# Altium PCB HK0J2071758B03-AM-FPC.PcbDoc (part 1 of 4) (continued)
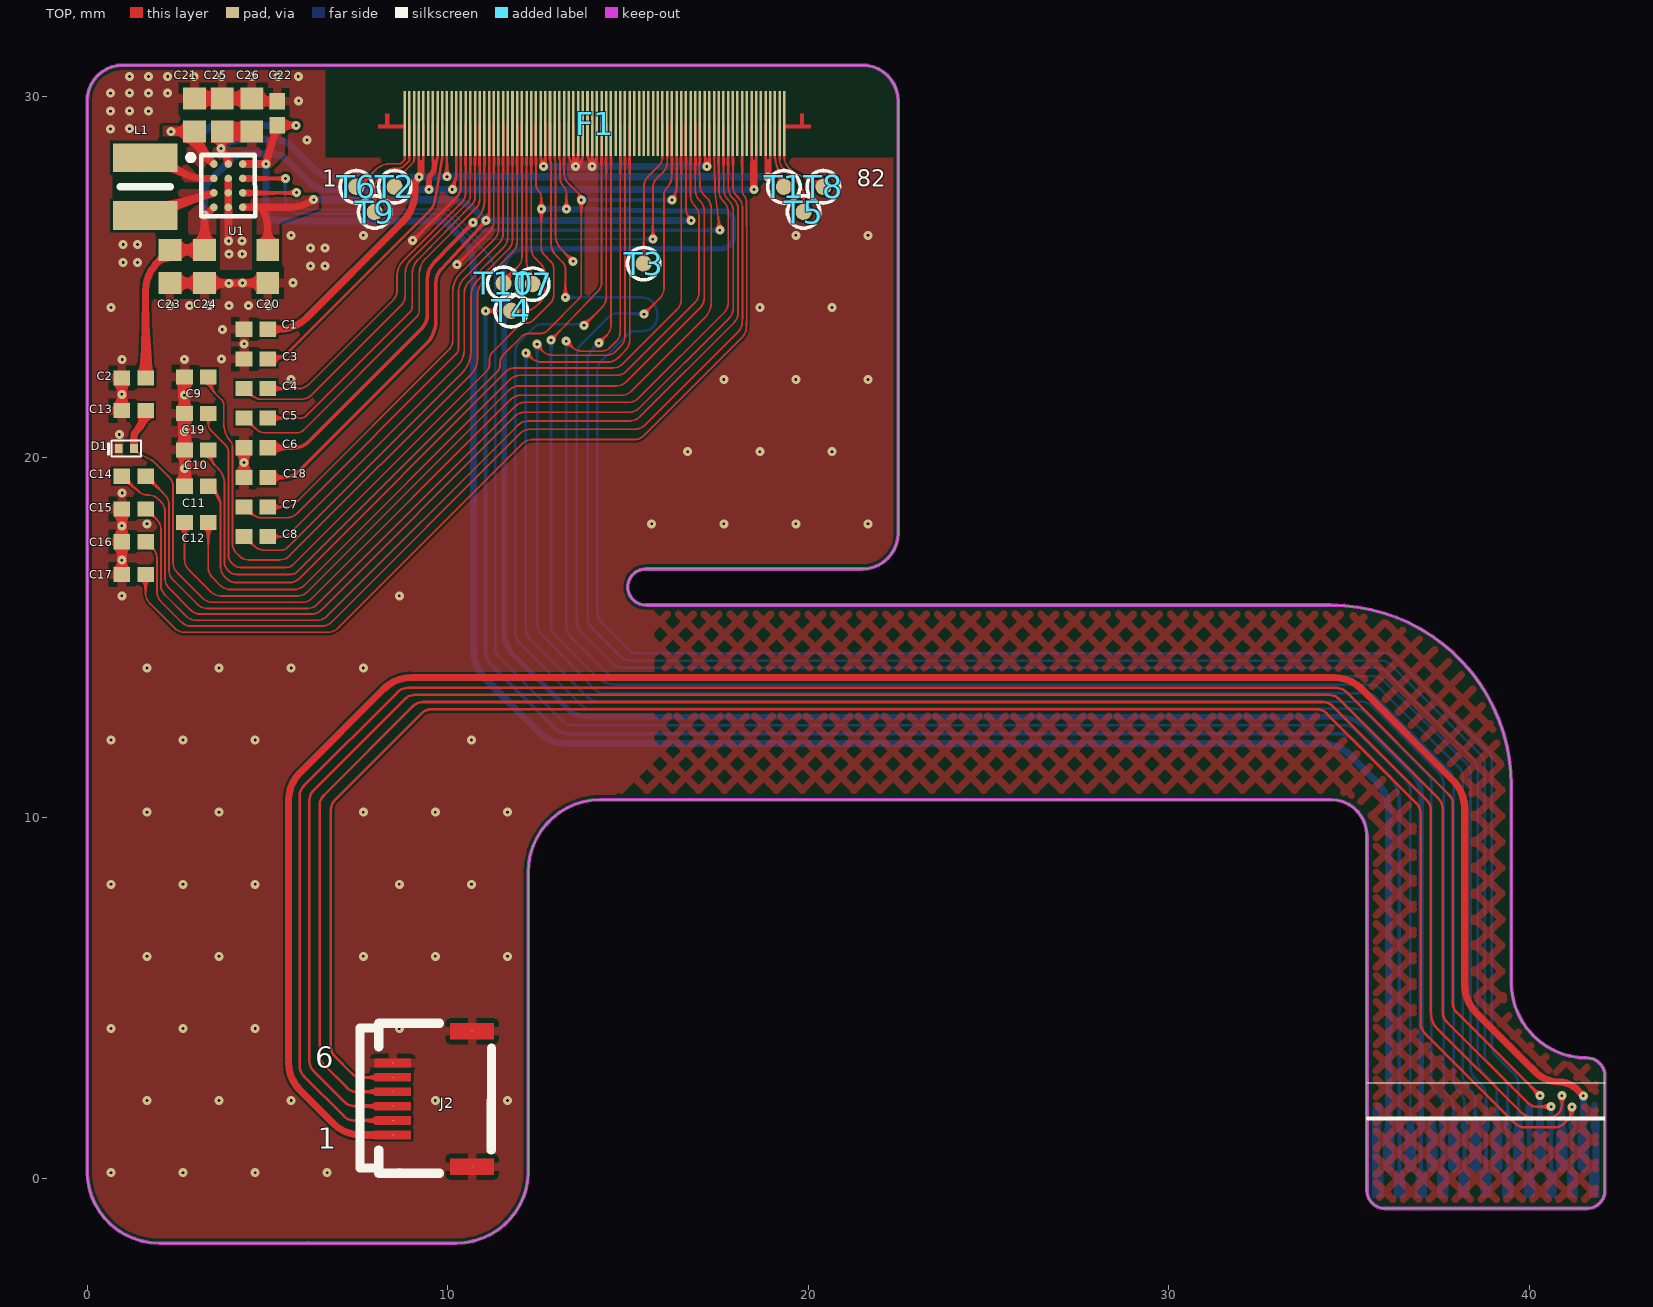
[diagram p0: TOP view]
## Nets (pads, with @x,y where several pads share a name; then routed paths per layer and width w, separated by ;. In a path a pad name is that pad's centre, name@x,y a point inside that pad or via, vN(x,y) a via of type N, cw(c..) or ccw(c..) an arc to the next point about the centre after c; other vN are vias at no path point)
AVDD: C6.1 F1.18 F1.67 | length 21.8
  TOP w0.05: v1@10.71,26.504 10.825,26.62 ccw(c10.351,27.093) 10.867,26.666 ccw(c10.351,27.093) 11.021,27.093 11.021,28.301 ; 17.391,28.301 17.401,28.158 cw(c17.016,28.134) 17.401,28.144 17.421,27.366 ccw(c17.916,27.379) 17.425,27.318 v1(17.552,26.295)
  TOP w0.07: 11.021,28.301 F1.18@11.021,29.251 ; 17.391,28.301 F1.67@17.391,29.251
  TOP w0.1: C6.1@5.012,20.259 5.745,20.259 ccw(c5.745,20.809) 6.133,20.42 9.28,23.567 ccw(c8.89,23.955) 9.44,23.955 9.44,24.94 cw(c10.094,24.942) 9.626,25.399 v1(10.705,26.509)
  BOTTOM w0.1: v1(10.705,26.509) 10.705,26.504 10.913,26.295 11.141,26.295 v1(17.552,26.295)
C11N: C4.2 F1.15 | length 11.3
  TOP w0.05: C4.2@4.352,21.903 4.557,21.718 4.56,21.716 ccw(c4.827,21.993) 4.715,21.625 4.758,21.612 ccw(c4.782,21.693) 4.782,21.608 5.949,21.608 ccw(c5.949,21.993) 6.22,21.72 8.712,24.212 ccw(c8.44,24.484) 8.825,24.484 8.825,25.093 cw(c9.387,25.093) 8.988,25.49 10.549,27.051 ccw(c10.349,27.25) 10.631,27.25 10.631,28.301
  TOP w0.07: 10.631,28.301 F1.15@10.631,29.251
C11P: C4.1 F1.14 | length 10.1
  TOP w0.05: C4.1@5.012,21.903 5.873,21.903 ccw(c5.873,22.288) 6.144,22.015 8.489,24.36 ccw(c8.216,24.631) 8.601,24.631 8.601,25.041 cw(c9.177,25.042) 8.769,25.449 10.389,27.069 ccw(c10.116,27.34) 10.501,27.34 10.501,28.301
  TOP w0.07: 10.501,28.301 F1.14@10.501,29.251
C12N: C5.2 F1.17 | length 12.3
  TOP w0.05: C5.2@4.352,21.081 4.557,20.896 4.694,20.773 ccw(c4.952,21.059) 4.952,20.674 5.815,20.674 ccw(c5.815,20.949) 6.009,20.754 9.136,23.881 ccw(c8.941,24.075) 9.216,24.074 9.216,25.085 cw(c9.818,25.085) 9.216,25.087 cw(c9.818,25.085) 9.392,25.51 10.794,26.913 ccw(c10.555,27.149) 10.891,27.149 10.891,28.301
  TOP w0.07: 10.891,28.301 F1.17@10.891,29.251
C12P: C5.1 F1.16 | length 11.1
  TOP w0.05: C5.1@5.012,21.081 5.922,21.081 ccw(c5.922,21.312) 6.085,21.149 8.939,24.003 ccw(c8.744,24.197) 9.019,24.197 9.019,25.083 cw(c9.582,25.084) 9.179,25.477 10.684,27.017 ccw(c10.486,27.209) 10.761,27.209 10.761,28.301
  TOP w0.07: 10.761,28.301 F1.16@10.761,29.251
C31N: C7.2 F1.22 | length 14.7
  TOP w0.05: C7.2@4.352,18.616 4.557,18.431 4.569,18.42 ccw(c4.827,18.706) 4.715,18.337 4.758,18.324 ccw(c4.782,18.406) 4.782,18.321 5.543,18.321 ccw(c5.543,18.706) 5.815,18.433 10.232,22.851 ccw(c10.055,23.029) 10.306,23.029 10.306,24.598 cw(c10.824,24.598) 10.458,24.964 11.429,25.935 ccw(c11.156,26.207) 11.541,26.207 11.541,28.301
  TOP w0.07: 11.541,28.301 11.541,28.963 F1.22@11.541,29.251
C31P: C7.1 F1.21 | length 13.6
  TOP w0.05: C7.1@5.012,18.616 5.512,18.616 ccw(c5.512,19.001) 5.784,18.728 10.029,22.974 ccw(c9.757,23.246) 10.142,23.246 10.142,24.578 cw(c10.891,24.579) 10.361,25.108 11.299,26.045 ccw(c11.026,26.317) 11.411,26.317 11.411,28.301
  TOP w0.07: 11.411,28.301 11.411,28.386 F1.21@11.411,29.251
C32N: C8.2 F1.24 | length 15.6
  TOP w0.05: C8.2@4.352,17.794 4.557,17.609 4.658,17.518 ccw(c4.916,17.804) 4.916,17.419 5.389,17.419 ccw(c5.389,17.644) 5.548,17.484 10.409,22.345 ccw(c9.834,22.92) 10.647,22.92 10.647,24.469 cw(c11.249,24.469) 10.823,24.895 11.688,25.76 ccw(c11.416,26.032) 11.801,26.032 11.801,28.301
  TOP w0.07: 11.801,28.301 11.801,28.386 F1.24@11.801,29.251
C32P: C8.1 F1.23 | length 14.4
  TOP w0.05: C8.1@5.012,17.794 5.372,17.794 ccw(c5.372,18.179) 5.643,17.905 10.289,22.551 ccw(c9.876,22.964) 10.46,22.964 10.46,24.539 cw(c10.916,24.539) 10.594,24.862 11.559,25.827 ccw(c11.286,26.099) 11.671,26.099 11.671,28.301
  TOP w0.07: 11.671,28.301 11.671,28.386 F1.23@11.671,29.251
C41N: C14.2 F1.69 | length 28.5
  TOP w0.05: C14.2@0.963,19.47 1.168,19.285 1.431,19.048 ccw(c1.689,19.333) 1.689,18.949 1.703,18.949 cw(c1.703,18.564) 1.975,18.837 2.052,18.76 cw(c1.778,18.489) 2.163,18.489 2.163,16.633 ccw(c2.548,16.633) 2.275,16.362 2.88,15.757 ccw(c3.151,16.03) 3.151,15.646 6.22,15.646 ccw(c6.22,16.03) 6.492,15.757 11.867,21.133 cw(c12.139,20.86) 12.139,21.245 15.038,21.245 ccw(c15.038,21.63) 15.309,21.357 17.81,23.858 ccw(c17.538,24.13) 17.922,24.13 17.922,26.839 ccw(c17.538,26.839) 17.816,27.105 17.767,27.156 cw(c18.045,27.422) 17.661,27.418 17.652,28.301
  TOP w0.07: F1.69@17.651,29.251 17.651,28.386 17.651,28.351 ccw(c18.006,28.351) 17.651,28.348 17.652,28.301
C41P: C14.1 F1.68 | length 27.5
  TOP w0.05: C14.1@1.623,19.47 1.828,19.285 2.16,18.953 cw(c1.888,18.681) 2.273,18.681 2.273,16.864 ccw(c2.658,16.864) 2.385,16.593 3.063,15.915 ccw(c3.335,16.188) 3.335,15.803 6.115,15.803 ccw(c6.115,16.188) 6.387,15.915 11.881,21.409 cw(c12.152,21.136) 12.152,21.521 15.023,21.521 ccw(c15.023,21.906) 15.295,21.633 17.673,24.012 ccw(c17.401,24.284) 17.786,24.284 17.786,26.803 ccw(c17.401,26.803) 17.68,27.068 17.637,27.114 cw(c17.916,27.379) 17.531,27.375 17.522,28.301
  TOP w0.07: 17.522,28.301 17.521,28.351 ; 17.521,28.351 F1.68@17.521,29.251
C51N: C12.2 F1.63 | length 24.3
  TOP w0.05: C12.2@2.703,18.182 2.703,17.153 ccw(c3.088,17.153) 2.815,16.881 3.433,16.264 ccw(c3.704,16.537) 3.704,16.152 5.843,16.152 ccw(c5.843,16.537) 6.115,16.264 11.714,21.863 cw(c11.985,21.59) 11.985,21.975 14.68,21.975 ccw(c14.68,22.36) 14.952,22.088 17.006,24.142 ccw(c16.734,24.414) 17.119,24.414 17.119,26.832 ccw(c16.734,26.832) 17.006,27.104 16.983,27.127 cw(c17.256,27.398) 16.871,27.398 16.871,28.301
  TOP w0.07: 16.871,28.301 F1.63@16.871,29.251
C51P: C12.1 F1.62 | length 23.4
  TOP w0.05: C12.1@3.363,18.182 3.363,16.935 ccw(c3.748,16.935) 3.475,16.663 3.699,16.44 ccw(c3.97,16.713) 3.97,16.328 5.749,16.328 ccw(c5.749,16.713) 6.02,16.44 11.74,22.159 cw(c12.011,21.886) 12.011,22.271 14.688,22.271 ccw(c14.688,22.656) 14.961,22.384 16.861,24.284 ccw(c16.588,24.556) 16.973,24.556 16.973,26.695 ccw(c16.588,26.695) 16.861,26.967 16.853,26.975 cw(c17.126,27.246) 16.741,27.246 16.741,28.301
  TOP w0.07: 16.741,28.301 F1.62@16.741,29.251
ELVDD: C2.1 C23.2 C24.2 F1.7 F1.8 F1.12 F1.75 F1.76 U1.D1 | length 30.7
  TOP w0.07: F1.7@9.591,29.251 9.591,28.183 9.639,28.183 9.686,28.183 9.696,28.172 9.719,28.301 9.72,28.307 ccw(c9.651,28.319) 9.721,28.319 F1.8@9.721,29.251 ; v1(10.132,27.424) 10.225,27.731 ccw(c9.856,27.843) 10.241,27.843 10.241,28.301 10.241,28.386 F1.12@10.241,29.251 ; F1.75@18.431,29.251 18.431,28.159 18.496,28.159 18.561,28.159 F1.76@18.561,29.251
  TOP w0.15: v1(9.483,27.424) 9.483,27.684 cw(c9.716,27.684) 9.551,27.849 ccw(c9.445,27.955) 9.564,27.865 ccw(c9.415,28.014) 9.605,27.921 ccw(c9.47,27.987) 9.61,27.932 9.615,27.946 9.626,28.009 9.639,28.183
  TOP w0.2: C2.1@1.623,22.199 1.623,24.613 cw(c2.723,24.613) 1.867,25.304 1.898,25.341 cw(c2.753,24.65) 1.945,25.397 2.082,25.545 2.287,25.75 C24.2@3.258,25.75 v1@3.258,26.67 ; v1(3.258,26.719) v1@3.258,26.67 ; U1.D1@3.517,26.931 3.283,26.695 v1@3.258,26.67 ; v1@18.495,27.425 18.495,28.159
  BOTTOM w0.2: v1(3.258,26.719) 3.258,27.329 ; 3.258,27.33 cw(c3.727,27.33) 3.396,27.661 3.969,28.234 cw(c4.402,27.802) 4.402,28.414 5.108,28.414 cw(c5.108,27.768) 5.564,28.225 ; 5.564,28.225 5.599,28.19 6.156,27.633 ccw(c6.663,28.139) 6.663,27.423 v1@9.483,27.423
  BOTTOM w0.203: v1(9.483,27.424) v1(10.132,27.424) ; v1@10.133,27.423 v1@18.498,27.423
  other v1: 18.498,27.422
ELVSS: C1.1 C25.2 C26.2 F1.4 F1.5 F1.10 F1.78 F1.79 U1.A2 | length 30.6
  TOP w0.07: F1.4@9.201,29.251 9.201,28.139 9.266,28.139 9.331,28.139 F1.5@9.331,29.251 ; v1@9.981,27.796 F1.10@9.981,29.251 ; F1.78@18.821,29.251 18.821,28.171 18.885,28.171 18.951,28.171 F1.79@18.951,29.251
  TOP w0.2: C25.2@3.749,29.03 3.714,28.995 v1(3.714,28.56) cw(c2.845,27.886) U1.A2@3.917,28.132 ; C1.1@5.012,23.547 5.319,23.547 ccw(c5.319,24.647) 6.097,23.869 8.694,26.467 8.746,26.518 ccw(c7.907,27.357) 9.093,27.357 9.093,27.485 cw(c9.498,27.485) v1(9.212,27.772) ccw(c9.085,27.899) 9.264,27.899 9.264,28.137 9.266,28.139 ; v1@18.885,27.783 18.885,28.171
  TOP w0.5: C25.2@3.749,29.03 C26.2@4.571,29.029
  BOTTOM w0.2: v1(3.714,28.56) cw(c4.334,27.94) 3.724,28.57 cw(c4.334,27.94) 3.812,28.645 cw(c4.334,27.94) 4.334,28.817 5.185,28.817 cw(c5.185,28.115) 5.68,28.612 cw(c5.185,28.115) 5.681,28.611 6.3,27.992 ccw(c6.832,28.525) 6.833,27.772 v1(9.212,27.772)
  BOTTOM w0.203: v1(9.212,27.772) cw(c9.311,26.659) 9.311,27.776 v1@9.977,27.776 ; v1@9.985,27.777 v1(18.892,27.777)
  other v1: 9.982,27.781
ERR_Flag: F1.56 T3.1 | length 4.1
  TOP w0.05: T3.1@15.437,25.368 ccw(c15.06,25.449) 15.445,25.449 15.445,27.502 cw(c15.83,27.502) 15.557,27.773 15.849,28.065 ccw(c15.576,28.337) 15.955,28.266 15.961,28.301
  TOP w0.07: 15.961,28.301 F1.56@15.961,29.251
FOF_R: F1.80 T1.1 | length 1.8
  TOP w0.05: 19.081,28.301 19.112,28.156 ccw(c19.596,28.26) 19.128,28.101 T1.1@19.331,27.5
  TOP w0.07: 19.081,28.301 F1.80@19.081,29.251
FOF_R1: F1.82 T8.1 | length 2.4
  TOP w0.05: 19.341,28.301 19.342,28.288 ccw(c19.726,28.314) 19.453,28.043 19.535,27.961 ccw(c19.807,28.234) 19.635,27.889 T8.1@20.423,27.5
  TOP w0.07: 19.341,28.301 F1.82@19.341,29.251
FOF_R2: F1.81 T5.1 | length 2.7
  TOP w0.05: 19.211,28.301 19.211,28.26 ccw(c19.596,28.26) 19.323,27.989 19.762,27.55 cw(c19.489,27.278) 19.874,27.278 T5.1@19.874,26.8
  TOP w0.07: 19.211,28.301 F1.81@19.211,29.251
FOG_L: F1.3 T2.1 | length 2
  TOP w0.05: T2.1@8.532,27.5 cw(c8.912,27.5) 8.609,27.728 cw(c8.912,27.5) 8.643,27.768 9.034,28.159 ccw(c8.944,28.249) 9.071,28.249 9.071,28.301
  TOP w0.07: 9.071,28.301 9.071,28.312 F1.3@9.071,29.251
FOG_L1: F1.1 T6.1 | length 2.6
  TOP w0.05: T6.1@7.466,27.5 7.529,27.5 7.99,27.961 cw(c8.423,27.529) 8.423,28.14 8.676,28.14 ccw(c8.676,28.19) 8.685,28.141 8.694,28.143 ccw(c8.686,28.192) 8.721,28.157 8.811,28.247 8.811,28.301
  TOP w0.07: 8.811,28.301 F1.1@8.811,29.251
FOG_L2: F1.2 T9.1 | length 3
  TOP w0.05: T9.1@7.976,26.8 7.976,27.492 cw(c8.281,27.492) 8.065,27.708 8.243,27.886 cw(c8.553,27.577) 8.553,28.015 8.644,28.015 ccw(c8.644,28.232) 8.798,28.078 8.922,28.202 ccw(c8.876,28.249) 8.941,28.249 8.941,28.301
  TOP w0.07: 8.941,28.301 F1.2@8.941,29.251
GND: C1.2 C2.2 C3.2 C6.2 C9.2 C10.2 C11.2 C13.2 C15.2 C16.2 C17.2 C18.2 C19.2 C20.1 C21.1 C22.2 C23.1 C24.1 C25.1 C26.1 D1.1 F1.13 F1.20 F1.30 F1.31 F1.33 F1.36 F1.37 F1.38 F1.39 F1.40 F1.41 F1.42 F1.65 F1.66 J1.1 J1.7 J1.21 J2.6 J2.7 J2.8 U1.B2 U1.C2 U1.D2 | length 44.7
  TOP w0.05: v1(10.262,25.34) 11.169,26.247 ccw(c10.896,26.519) 11.281,26.519 11.281,28.301 ; 12.971,28.301 12.991,28.131 cw(c12.608,28.088) 12.992,28.118 12.992,26.174 ccw(c13.589,26.174) 13.167,25.752 v1(13.486,25.433)
  TOP w0.07: v1(9.032,26.013) ccw(c8.841,26.347) 9.113,26.075 10.259,27.22 ccw(c9.986,27.493) 10.371,27.493 F1.13@10.371,29.251 ; 11.281,28.301 F1.20@11.281,29.251 ; F1.30@12.581,29.251 12.581,28.301 12.585,28.274 ccw(c12.966,28.329) 12.614,28.174 v1(12.661,28.066) 12.696,28.185 ccw(c12.326,28.293) 12.711,28.293 F1.31@12.711,29.251 ; 12.971,28.301 F1.33@12.971,29.251 ; F1.36@13.361,29.251 13.361,28.386 13.362,28.371 ccw(c13.746,28.4) 13.374,28.301 ccw(c13.746,28.4) 13.433,28.177 v1@13.486,28.101 ; v1@13.491,28.136 F1.37@13.491,29.251 ; v1@13.612,28.062 13.609,28.062 ccw(c13.366,28.361) 13.747,28.301 ccw(c13.366,28.361) 13.751,28.361 F1.39@13.751,29.251 ; v1@13.621,28.139 F1.38@13.621,29.251 ; F1.40@13.881,29.251 13.881,28.386 13.883,28.368 ccw(c14.266,28.406) 13.896,28.301 ccw(c14.266,28.406) 13.956,28.178 cw(c13.644,27.952) v1(14.012,28.066) ; F1.41@14.011,29.251 14.011,28.117 ccw(c14.396,28.117) v1@14.011,28.115 ; F1.42@14.141,29.251 14.141,28.379 cw(c13.756,28.379) 14.133,28.301 cw(c13.756,28.379) 14.072,28.158 v1@14.04,28.113 ; F1.65@17.131,29.251 17.131,28.386 17.145,28.301 v1(17.191,28.064) 17.232,28.16 ccw(c16.876,28.308) 17.261,28.294 17.261,28.301 F1.66@17.261,29.251 ; v1@13.486,28.101 v1(13.555,28.066) ; v1@13.486,28.101 13.467,28.111 13.507,28.071 v1(13.555,28.066) ; v1@13.486,28.101 v1@13.515,28.087 ; v1@13.486,28.101 v1@13.515,28.087 ; v1@13.515,28.087 v1(13.555,28.066) ; v1@13.515,28.087 v1(13.555,28.066) ; v1@14.012,28.094 v1@14.011,28.104 ; v1@14.012,28.093 v1@14.012,28.087 ; v1@14.012,28.094 v1@14.012,28.087 ; v1@14.012,28.094 v1@14.011,28.1 ; v1@14.012,28.093 v1@14.011,28.1 ; v1@14.012,28.093 14.012,28.083 v1@14.012,28.087 ; v1@14.011,28.1 v1@14.011,28.104 ; v1@14.011,28.1 v1@14.011,28.105 ; v1@14.011,28.104 v1@14.011,28.108 ; v1@14.011,28.105 v1@14.011,28.111 ; v1@14.011,28.105 v1@14.011,28.108 ; v1@14.011,28.108 v1@14.011,28.111 ; v1@14.011,28.108 v1@14.011,28.111 ; v1@14.011,28.111 v1@14.011,28.113 ; v1@14.011,28.111 v1@14.011,28.115 ; v1@14.011,28.111 v1@14.011,28.113 ; v1@14.011,28.113 v1@14.011,28.115 ; v1@14.011,28.113 v1@14.011,28.115 ; v1(14.012,28.066) cw(c14.355,27.892) v1@14.04,28.113 ; v1(14.012,28.066) v1@14.04,28.113 ; v1(14.012,28.066) v1@14.012,28.082 ; v1(14.012,28.066) v1@14.012,28.082 ; v1@14.012,28.082 v1@14.012,28.087
  TOP w0.2: C17.2@0.963,16.742 v1(0.963,17.142) 0.963,17.541 0.963,17.625 C16.2@0.963,17.651 v1(0.963,18.093) C15.2@0.963,18.561 ; C13.2@0.963,21.289 v1(0.963,21.744) C2.2@0.963,22.199 ; C23.1@2.297,24.83 C24.1@3.258,24.83 3.266,24.822 v1(3.932,24.822) 3.936,24.826 4.307,24.826 v1(4.311,24.83) C20.1@5.01,24.83 ; C11.2@2.703,19.192 C10.2@2.703,20.202 v1(2.703,20.707) C19.2@2.703,21.212 C9.2@2.703,22.222 ; C21.1@2.964,29.939 4.356,29.939 4.563,29.918 4.786,29.859 C22.2@5.224,29.859 ; U1.B2@3.917,27.731 3.919,27.402 cw(c2.819,27.396) U1.C2@3.917,27.331 ; U1.C2@3.917,27.331 U1.C2@3.917,27.331 ; v1(3.928,25.996) cw(c3.956,26.024) 3.917,26.024 U1.D2@3.917,26.931 U1.C2@3.917,27.331 ; C18.2@4.352,19.438 v1(4.352,19.848) C6.2@4.352,20.259
  BOTTOM w0.2: v1@12.67,28.058 v1@13.546,28.058 ; v1(13.555,28.066) v1(14.012,28.066) ccw(c14.066,29.165) 14.066,28.065 17.14,28.065 cw(c17.137,26.965) v1@17.191,28.064 ; 35.807,1.96 35.847,2 ; 40.007,1.494 40.007,2.004 ; 41.817,1.534 41.817,2.015
  BOTTOM w0.25: 35.786,1.651 35.786,1.874
  other v1: 0.661,0.152 2.661,0.152 4.661,0.152 6.661,0.152 8.661,0.152 1.661,2.152 3.661,2.152 5.661,2.152 9.661,2.152 11.661,2.152 0.661,4.152 2.661,4.152 4.661,4.152 8.661,4.152 1.661,6.152 3.661,6.152 7.661,6.152 9.661,6.152 11.661,6.152 0.661,8.152 2.661,8.152 4.661,8.152 8.661,8.152 10.661,8.152 1.661,10.152 3.661,10.152 7.661,10.152 9.661,10.152 11.661,10.152 0.661,12.152 2.661,12.152 4.661,12.152 10.661,12.152 1.661,14.152 3.661,14.152 5.661,14.152 7.661,14.152 0.966,16.152 8.661,16.152 1.661,18.152 15.661,18.152 17.661,18.152 19.661,18.152 21.661,18.152 0.974,19.006 2.706,19.68 16.661,20.152 18.661,20.152 20.661,20.152 0.895,20.628 2.699,21.717 5.661,22.152 17.661,22.152 19.661,22.152 21.661,22.152 0.972,22.706 2.7,22.713 3.731,22.721 4.356,23.143 3.752,23.541 0.661,24.152 18.661,24.152 20.661,24.152 2.297,24.2 2.843,24.2 3.389,24.2 3.935,24.2 4.48,24.2 5.026,24.2 5.711,24.838 6.2,25.3 6.6,25.3 1,25.4 1.4,25.4 3.936,25.632 4.304,25.635 6.2,25.8 6.6,25.8 1,25.9 1.4,25.9 4.3,26 5.661,26.152 7.661,26.152 19.661,26.152 21.661,26.152 6.1,28.8 0.648,29.1 1.177,29.11 0.648,29.598 1.177,29.608 1.706,29.598 5.868,29.883 0.648,30.095 1.177,30.105 1.706,30.095 2.235,30.095 1.177,30.561 1.706,30.561 2.235,30.561 2.967,30.561 3.735,30.561 4.576,30.561 5.292,30.561 5.861,30.561
NetL1_1: L1.1 U1.B1 | length 2
  TOP w0.2: L1.1@1.615,28.394 2.415,28.003 2.74,27.843 ccw(c3.224,28.831) 3.224,27.731 U1.B1@3.517,27.731
NetL1_2: L1.2 U1.C1 | length 2
  TOP w0.2: L1.2@1.615,26.794 L1.2@2.415,27.003 ; L1.2@2.415,27.003 U1.C1@3.517,27.331
QSPI_CSX: F1.45 J1.9 | length 51.8
  TOP w0.05: v1(14.195,23.16) 14.419,23.384 ccw(c14.146,23.655) 14.531,23.655 14.531,28.301
  TOP w0.07: 14.531,28.301 F1.45@14.531,29.251
  BOTTOM w0.07: v1(14.195,23.16) 14.002,22.966 ccw(c14.274,22.694) 13.889,22.694 13.889,15.534 ccw(c14.274,15.534) 14.002,15.262 14.794,14.47 ccw(c15.066,14.742) 15.066,14.357 35.887,14.357 cw(c35.887,13.972) 36.159,14.245 38.658,11.746 cw(c38.386,11.473) 38.771,11.473 38.771,3.452 ccw(c39.156,3.452) 38.883,3.18 39.294,2.77 cw(c39.022,2.497) 39.407,2.497 J1.9@39.407,0.557
QSPI_SCL: F1.44 J1.15 | length 53.7
  TOP w0.05: v1(13.783,23.656) 14.289,24.162 ccw(c14.016,24.433) 14.401,24.433 14.401,28.301
  TOP w0.07: 14.401,28.301 14.401,28.386 F1.44@14.401,29.251
  BOTTOM w0.07: v1(13.783,23.656) ccw(c13.631,23.302) 13.631,23.687 12.639,23.687 ccw(c12.64,23.302) 12.368,23.575 11.994,23.201 ccw(c12.266,22.929) 11.881,22.929 11.881,15.108 ccw(c12.266,15.108) 11.993,14.837 13.699,13.131 ccw(c13.972,13.402) 13.972,13.017 35.205,13.017 cw(c35.205,12.632) 35.477,12.904 37.18,11.201 cw(c36.908,10.929) 37.293,10.929 37.293,2.956 37.293,2.695 ccw(c37.828,2.695) 37.45,2.316 37.516,2.25 cw(c37.296,2.031) 37.607,2.031 J1.15@37.607,0.557
QSPI_SDI0: F1.47 J1.11 | length 53.3
  TOP w0.05: v1(13.291,23.218) 13.46,23.049 ccw(c13.731,23.323) 13.731,22.938 14.244,22.938 ccw(c14.244,23.323) 14.515,23.05 14.679,23.214 ccw(c14.406,23.485) 14.791,23.485 14.791,28.301
  TOP w0.07: 14.791,28.301 F1.47@14.791,29.251
  BOTTOM w0.07: v1(13.291,23.218) 13.291,15.66 13.291,15.363 ccw(c13.807,15.365) 13.441,15 14.403,14.038 ccw(c14.675,14.311) 14.675,13.926 35.678,13.926 cw(c35.678,13.541) 35.95,13.813 38.263,11.5 cw(c37.991,11.228) 38.376,11.228 38.376,3.05 ccw(c38.761,3.05) 38.489,2.778 38.691,2.575 cw(c38.422,2.3) 38.807,2.3 J1.11@38.807,0.557
QSPI_SDI1: F1.43 J1.12 | length 51.9
  TOP w0.05: v1(12.869,23.244) 14.165,24.596 ccw(c13.886,24.862) 14.271,24.862 14.271,28.301
  TOP w0.07: 14.271,28.301 F1.43@14.271,29.251
  BOTTOM w0.07: v1(12.869,23.244) 12.869,15.677 12.869,15.328 ccw(c13.254,15.328) 12.981,15.056 14.124,13.913 ccw(c14.661,14.442) 14.662,13.689 35.597,13.689 cw(c35.597,13.304) 35.869,13.576 38.054,11.391 cw(c37.782,11.118) 38.167,11.118 38.167,2.808 ccw(c38.552,2.808) 38.28,2.536 38.392,2.424 cw(c38.122,2.15) 38.507,2.15 J1.12@38.507,0.907
QSPI_SDI2: F1.48 J1.13 | length 54.4
  TOP w0.05: v1(12.483,23.132) 12.607,22.974 ccw(c12.909,23.212) 12.909,22.827 14.397,22.827 ccw(c14.397,23.212) 14.669,22.939 14.809,23.079 ccw(c14.536,23.351) 14.921,23.351 14.921,28.301
  TOP w0.07: 14.921,28.301 F1.48@14.921,29.251
  BOTTOM w0.07: v1(12.483,23.132) 12.483,15.436 ccw(c12.868,15.436) 12.487,15.384 12.498,15.304 ccw(c12.879,15.356) 12.601,15.09 13.919,13.721 ccw(c14.197,13.987) 13.924,13.716 14.081,13.559 ccw(c14.352,13.832) 14.352,13.447 35.487,13.447 cw(c35.487,13.062) 35.759,13.334 37.799,11.294 cw(c37.528,11.021) 37.913,11.021 37.913,2.71 ccw(c38.298,2.71) 38.025,2.437 38.093,2.37 cw(c37.822,2.097) 38.207,2.097 J1.13@38.207,0.557
QSPI_SDI3: F1.49 J1.14 | length 54.4
  TOP w0.05: v1(12.173,22.891) 12.355,22.731 ccw(c12.608,23.021) 12.608,22.636 14.445,22.636 ccw(c14.445,23.021) 14.716,22.748 14.939,22.971 ccw(c14.666,23.243) 15.051,23.243 15.051,28.301
  TOP w0.07: 15.051,28.301 15.051,28.618 F1.49@15.051,29.251
  BOTTOM w0.07: v1(12.173,22.891) 12.173,15.239 ccw(c12.558,15.239) 12.202,15.092 12.22,15.049 ccw(c12.575,15.197) 12.302,14.925 13.896,13.332 ccw(c14.168,13.604) 14.168,13.219 35.354,13.219 cw(c35.354,12.834) 35.627,13.107 37.515,11.218 cw(c37.243,10.946) 37.628,10.946 37.628,2.576 ccw(c38.013,2.576) 37.741,2.303 37.793,2.252 cw(c37.522,1.978) 37.907,1.978 J1.14@37.907,0.907
RESET: F1.32 J1.8 | length 54.6
  TOP w0.05: 12.841,28.301 12.869,28.095 cw(c12.661,28.066) 12.871,28.072 cw(c12.661,28.066) 12.871,28.061 ; 12.871,28.06 12.871,25.934 ccw(c13.368,25.934) 13.017,25.583 13.188,25.412 cw(c12.993,25.218) 13.268,25.218 v1(13.268,24.432)
  TOP w0.07: 12.841,28.301 F1.32@12.841,29.251
  BOTTOM w0.07: v1(13.268,24.432) 15.393,24.432 cw(c15.393,24.047) 15.665,24.32 15.697,24.287 cw(c15.425,24.015) 15.81,24.015 15.81,23.886 cw(c15.425,23.886) 15.697,23.613 15.692,23.608 cw(c15.42,23.88) 15.42,23.495 15.19,23.495 ccw(c15.19,23.256) 15.021,23.425 14.268,22.673 ccw(c14.541,22.401) 14.156,22.401 14.156,15.688 ccw(c14.541,15.688) 14.267,15.417 15.016,14.668 ccw(c15.288,14.941) 15.288,14.556 36.005,14.556 cw(c36.005,14.171) 36.277,14.443 38.853,11.867 cw(c38.581,11.594) 38.966,11.594 38.966,3.665 ccw(c39.351,3.665) 39.079,3.393 39.594,2.879 cw(c39.322,2.606) 39.707,2.606 J1.8@39.707,0.907
SWIRE: F1.57 U1.C3 | length 15.4
  TOP w0.05: v1(15.695,26.045) 15.695,27.463 cw(c16.08,27.463) 15.808,27.735 15.979,27.906 ccw(c15.706,28.178) 16.091,28.178 16.091,28.301
  TOP w0.07: 16.091,28.301 F1.57@16.091,29.251
  TOP w0.1: U1.C3@4.317,27.331 5.799,27.331 v1(5.809,27.342)
  BOTTOM w0.05: v1(5.809,27.342) ccw(c6.081,27.297) 5.806,27.299 5.806,27.158 ccw(c6.081,27.158) 5.886,26.964 5.9,26.949 ccw(c6.094,27.144) 6.094,26.869 9.934,26.869 cw(c9.934,26.594) 10.128,26.789 10.792,26.125 ccw(c10.985,26.32) 10.985,26.045 v1(15.695,26.045)
TE: F1.58 J1.10 | length 52.8
  TOP w0.05: v1(15.447,23.967) 15.888,24.408 ccw(c15.615,24.68) 16,24.68 16,26.561 cw(c16.385,26.561) 16,26.573 16,27.281 cw(c16.259,27.281) 16.076,27.464 ccw(c15.725,27.815) 16.221,27.815 16.221,28.301
  TOP w0.07: 16.221,28.301 F1.58@16.221,29.251
  BOTTOM w0.07: v1(15.447,23.967) 14.739,23.99 ccw(c14.727,23.605) 14.455,23.878 13.962,23.384 13.702,23.124 ccw(c13.974,22.852) 13.589,22.852 13.589,15.435 ccw(c13.974,15.435) 13.702,15.162 14.597,14.268 ccw(c14.869,14.54) 14.869,14.155 35.761,14.155 cw(c35.761,13.77) 36.033,14.042 38.469,11.606 cw(c38.197,11.334) 38.582,11.334 38.582,3.231 ccw(c38.967,3.231) 38.695,2.958 38.882,2.772 38.994,2.66 cw(c38.722,2.387) 39.107,2.387 J1.10@39.107,0.907
TP_INT: J1.3 J2.5 | length 54.4
  TOP w0.07: J2.5@8.481,2.797 7.612,2.797 cw(c7.612,3.182) 7.34,2.909 6.875,3.374 cw(c7.147,3.646) 6.762,3.646 6.762,10.212 cw(c7.147,10.212) 6.875,10.484 9.282,12.892 cw(c9.554,12.619) 9.554,13.004 34.111,13.004 cw(c34.111,12.619) 34.383,12.892 36.878,10.397 cw(c36.606,10.125) 36.991,10.125 36.991,4.302 ccw(c37.376,4.302) 37.103,4.03 39.615,1.518 ccw(c39.887,1.791) 39.887,1.406 40.701,1.406 ccw(c40.701,1.791) 40.973,1.519 41.079,1.624 ccw(c40.807,1.897) 41.192,1.897 v1(41.192,1.972)
  BOTTOM w0.1: v1(41.192,1.972) cw(c40.657,1.845) 41.207,1.845 J1.3@41.207,0.557
TP_RESET: J1.6 J2.2 | length 55.9
  TOP w0.07: J2.2@8.481,1.597 7.408,1.597 cw(c7.408,1.982) 7.136,1.709 6.008,2.837 6.007,2.838 cw(c6.28,3.109) 5.895,3.109 5.895,10.602 cw(c6.28,10.602) 6.008,10.874 8.619,13.485 cw(c8.891,13.213) 8.891,13.598 34.659,13.598 cw(c34.659,13.213) 34.932,13.485 37.773,10.644 cw(c37.501,10.372) 37.886,10.372 37.886,4.861 ccw(c38.271,4.861) 37.998,4.589 v1(40.301,2.286)
  BOTTOM w0.1: v1(40.301,2.286) cw(c39.752,2.261) 40.302,2.261 40.302,0.977 ccw(c40.852,0.979) 40.306,0.908 J1.6@40.307,0.907
TP_SCL: J1.5 J2.3 | length 55.4
  TOP w0.07: J2.3@8.481,1.997 7.417,1.997 cw(c7.417,2.382) 7.145,2.109 6.281,2.973 cw(c6.554,3.245) 6.169,3.245 6.169,10.483 cw(c6.554,10.483) 6.282,10.755 8.817,13.29 cw(c9.089,13.018) 9.089,13.403 34.457,13.403 cw(c34.457,13.018) 34.73,13.289 37.49,10.529 cw(c37.218,10.257) 37.603,10.257 37.603,4.61 ccw(c37.988,4.61) 37.715,4.338 39.96,2.093 ccw(c40.231,2.367) 40.231,1.982 v1(40.612,1.982)
  BOTTOM w0.1: J1.5@40.607,0.557 40.607,1.906 cw(c41.157,1.906) v1(40.612,1.982)
TP_SDA: J1.4 J2.4 | length 55.2
  TOP w0.07: J2.4@8.481,2.397 7.478,2.397 cw(c7.478,2.782) 7.205,2.509 6.565,3.15 6.564,3.151 cw(c6.837,3.422) 6.452,3.422 6.452,10.343 cw(c6.837,10.343) 6.565,10.615 9.045,13.095 cw(c9.317,12.823) 9.317,13.208 34.278,13.208 cw(c34.278,12.823) 34.55,13.095 37.161,10.484 cw(c36.889,10.212) 37.274,10.212 37.274,4.583 ccw(c37.896,4.583) 37.455,4.143 ccw(c37.896,4.583) 37.456,4.142 37.474,4.125 39.755,1.844 ccw(c40.163,2.252) 40.163,1.674 ; 40.164,1.674 40.531,1.674 ccw(c40.531,2.059) 40.803,1.787 ccw(c40.531,2.059) 40.916,2.059 40.916,2.278 v1(40.908,2.286)
  BOTTOM w0.1: J1.4@40.907,0.907 40.907,2.285 v1(40.908,2.286)
TP_VDD: J1.2 J2.1 | length 58
  TOP w0.2: J2.1@8.481,1.197 7.602,1.197 cw(c7.602,2.297) 6.823,1.521 5.906,2.437 cw(c6.684,3.215) 5.584,3.214 5.584,10.473 cw(c6.684,10.47) 5.905,11.247 8.226,13.567 cw(c9.002,12.788) 9.002,13.888 34.58,13.888 cw(c34.58,12.788) 35.357,13.567 37.892,11.032 cw(c37.115,10.254) 38.215,10.254 38.215,5.361 ccw(c39.315,5.361) 38.536,4.584 39.884,3.236 40.184,2.936 ccw(c40.825,3.572) 40.825,2.668 cw(c40.826,1.959) 41.327,2.461 v1(41.506,2.283)
  BOTTOM w0.2: v1(41.506,2.283) 41.507,2.282 J1.2@41.507,0.907
VBAT: C21.2 C22.1 J1.20 U1.A1 U1.A3 | length 63
  TOP w0.2: v1(2.326,29.027) 2.767,29.027 C21.2@2.982,29.03 ; C21.2@2.964,29.019 3.01,28.825 ccw(c4.081,29.076) U1.A1@3.517,28.132 ; U1.A3@4.317,28.132 4.318,28.13 4.962,28.13 v1(4.963,28.129) ; v1@4.963,28.132 5.181,28.91 ccw(c4.122,29.207) 5.207,29.029 C22.1@5.216,29.08 ; C22.1@5.277,29.21 5.282,29.205 5.795,29.205 v1(5.8,29.2)
  BOTTOM w0.2: v1(2.326,29.027) 3.076,29.027 ccw(c3.076,29.618) 3.478,29.185 ; 3.305,29.083 cw(c3.588,28.8) 3.478,29.185 ; v1(4.963,28.129) 4.963,26.93 ccw(c5.342,26.93) 5.342,26.552 9.837,26.552 cw(c9.837,26.352) 9.978,26.493 10.24,26.232 10.4,26.071 cw(c9.622,25.294) 10.722,25.294 10.722,14.633 ccw(c11.822,14.633) 11.043,13.856 12.52,12.379 ccw(c13.297,13.158) 13.297,12.058 34.252,12.058 cw(c34.252,10.958) 35.028,11.736 35.783,10.982 cw(c35.007,10.203) 36.107,10.203 J1.20@36.107,0.907 ; v1(5.8,29.2) 3.588,29.2 ccw(c3.588,28.8) 3.478,29.185
VCI: C18.1 C20.2 F1.19 F1.61 U1.D3 | length 29.2
  TOP w0.05: 16.611,28.301 16.611,26.904 ccw(c16.996,26.904) 16.672,26.697 v1(16.757,26.564)
  TOP w0.07: v1(11.068,26.564) ccw(c10.866,26.766) 11.151,26.766 F1.19@11.151,29.251 ; 16.611,28.301 F1.61@16.611,29.251
  TOP w0.1: C18.1@5.012,19.438 5.472,19.438 ccw(c5.472,19.988) 5.86,19.598 9.451,23.189 ccw(c9.063,23.578) 9.571,23.369 9.635,23.523 ccw(c9.126,23.733) 9.676,23.733 9.676,24.841 cw(c10.226,24.839) 9.823,25.213 10.877,26.349 11.015,26.498 ccw(c10.611,26.871) v1(11.068,26.564)
  TOP w0.2: U1.D3@4.317,26.931 4.829,26.931 5.63,26.931 ccw(c5.627,28.031) 6.172,27.076 v1(6.286,27.141) ; 4.83,26.93 cw(c3.91,26.328) 5.01,26.328 5.01,25.955 C20.2@5.01,25.75
  BOTTOM w0.2: v1(6.286,27.141) ccw(c6.344,28.239) 6.344,27.139 10.024,27.139 cw(c10.024,26.039) 10.801,26.817 11.054,26.564 v1(11.068,26.564) v1@16.743,26.564
VCI_EN: J1.18 U1.B3 | length 56
  TOP w0.1: U1.B3@4.317,27.731 ccw(c4.346,28.281) 4.346,27.731 5.479,27.731 cw(c5.477,27.181) v1(5.506,27.73)
  BOTTOM w0.07: v1(5.506,27.73) ccw(c5.878,27.629) 5.493,27.63 5.493,27.163 ccw(c5.878,27.163) 5.604,26.892 5.637,26.859 ccw(c5.909,27.132) 5.909,26.747 9.841,26.747 cw(c9.841,26.362) 10.113,26.634 11.099,25.648 cw(c10.548,25.095) 11.329,25.095 11.329,14.698 ccw(c11.714,14.698) 11.441,14.426 13.188,12.679 ccw(c13.46,12.952) 13.461,12.567 34.877,12.567 cw(c34.877,12.182) 35.15,12.454 36.593,11.011 cw(c36.321,10.738) 36.706,10.736 J1.18@36.707,0.907
VCL: C9.1 F1.25 | length 21.2
  TOP w0.05: C9.1@3.363,22.222 ccw(c3.998,22.222) 3.549,21.773 3.743,21.579 cw(c3.623,21.459) 3.793,21.459 3.793,20.934 ccw(c4.553,20.934) 4.015,20.397 cw(c3.647,20.284) 4.032,20.284 4.032,17.606 ccw(c4.417,17.606) 4.144,17.334 4.219,17.26 ccw(c4.49,17.533) 4.49,17.148 5.342,17.148 ccw(c5.342,17.533) 5.613,17.26 10.658,22.304 ; 10.659,22.305 ccw(c10.237,22.725) 10.832,22.725 10.832,24.503 ; 10.832,24.503 cw(c11.352,24.503) 10.985,24.871 11.818,25.704 ccw(c11.545,25.976) 11.93,25.976 11.931,28.301
  TOP w0.07: 11.931,28.301 11.931,28.386 F1.25@11.931,29.251
VDD: C10.1 F1.35 F1.59 | length 26.3
  TOP w0.05: C10.1@3.363,20.202 ccw(c3.957,20.202) 3.537,19.782 3.632,19.687 cw(c3.198,19.253) 3.812,19.254 cw(c3.198,19.253) 3.812,19.253 3.812,17.075 ccw(c4.087,17.075) 3.892,16.881 3.947,16.826 ccw(c4.141,17.021) 4.141,16.746 5.642,16.746 ccw(c5.642,17.021) 5.835,16.826 11.376,22.367 ccw(c11.181,22.561) 11.456,22.561 11.456,22.632 cw(c11.731,22.632) 11.536,22.826 12.057,23.347 cw(c12.251,23.151) 12.251,23.426 12.57,23.426 ccw(c12.57,23.701) 12.763,23.506 13.63,24.373 ccw(c13.435,24.567) 13.71,24.567 v1(13.71,27.132) ccw(c13.471,27.132) 13.64,27.301 13.356,27.585 cw(c13.659,27.887) 13.231,27.887 13.231,28.301
  TOP w0.07: 13.231,28.301 F1.35@13.231,29.251 ; v1(16.228,27.135) 16.308,27.289 ccw(c15.966,27.466) 16.351,27.466 16.351,28.301 F1.59@16.351,29.251
  BOTTOM w0.1: v1(13.71,27.132) v1@16.225,27.132
VDDI: C19.1 F1.29 F1.34 J1.17 | length 84.5
  TOP w0.05: C19.1@3.363,21.212 3.363,20.923 ccw(c3.638,20.923) 3.442,20.729 3.842,20.33 cw(c3.647,20.136) 3.922,20.136 3.922,17.269 ccw(c4.197,17.269) 4.002,17.076 4.056,17.022 ccw(c4.25,17.217) 4.25,16.942 5.524,16.942 ccw(c5.524,17.217) 5.718,17.022 11.085,22.389 ccw(c10.89,22.583) 11.165,22.583 11.165,22.721 cw(c11.44,22.721) 11.245,22.914 11.971,23.64 cw(c12.165,23.445) 12.165,23.72 12.188,23.72 ccw(c12.188,23.995) 12.381,23.8 12.854,24.272 ccw(c12.629,24.495) 12.945,24.495 12.945,25.23 ccw(c12.67,25.23) 12.865,25.424 12.681,25.609 cw(c12.875,25.803) 12.6,25.803 v1(12.6,26.882) 12.6,27.208 ccw(c12.356,27.208) 12.529,27.381 cw(c12.715,27.567) 12.451,27.567 12.451,28.301 ; 13.101,28.301 13.12,28.164 13.12,27.735 ccw(c13.421,27.735) 13.208,27.523 cw(c12.996,27.31) 13.296,27.31 v1(13.296,26.882)
  TOP w0.07: 12.451,28.301 F1.29@12.451,29.251 ; 13.101,28.301 F1.34@13.101,29.251
  BOTTOM w0.1: J1.17@37.007,0.557 37.007,1.657
  BOTTOM w0.15: v1(12.6,26.882) v1(13.296,26.882) ; v1@13.306,26.872 16.761,26.824 17.655,26.824 cw(c17.655,26.555) 17.924,26.555 17.924,26.101 cw(c17.608,26.101) 17.608,25.785 12.138,25.785 ccw(c12.138,25.224) 11.576,25.224 11.576,15.111 ccw(c12.401,15.111) 11.816,14.529 13.309,13.037 ccw(c13.892,13.62) 13.892,12.795 34.714,12.795 cw(c34.714,11.649) 35.524,12.46 36.765,11.218 cw(c36.182,10.635) 37.007,10.635 37.007,1.657
VGH: C16.1 F1.71 | length 27.3
  TOP w0.05: C16.1@1.623,17.651 1.828,17.466 1.849,17.441 cw(c1.554,17.194) 1.939,17.194 1.939,16.264 ccw(c2.324,16.264) 2.051,15.993 2.62,15.424 ccw(c2.891,15.697) 2.891,15.312 6.509,15.312 ccw(c6.509,15.697) 6.78,15.424 12.02,20.663 cw(c12.291,20.39) 12.291,20.775 15.197,20.775 ccw(c15.197,21.16) 15.468,20.887 18.059,23.478 ccw(c17.787,23.751) 18.172,23.735 18.179,23.906 ccw(c17.794,23.922) 18.179,23.922 18.179,26.927 ccw(c17.794,26.927) 18.067,27.198 18.032,27.233 cw(c18.301,27.508) 17.916,27.506 17.914,28.301
  TOP w0.07: F1.71@17.911,29.251 17.911,28.386 17.911,28.351 ccw(c18.006,28.351) 17.911,28.346 17.914,28.301
VGL: C17.1 F1.73 | length 26.9
  TOP w0.05: C17.1@1.623,16.742 1.623,16.221 ccw(c2.008,16.221) 1.735,15.95 2.432,15.253 ccw(c2.704,15.525) 2.704,15.14 6.68,15.14 ccw(c6.68,15.525) 6.951,15.253 12.073,20.374 cw(c12.344,20.101) 12.344,20.486 15.174,20.486 ccw(c15.174,20.871) 15.446,20.599 18.171,23.325 ccw(c17.899,23.597) 18.283,23.571 18.288,23.639 ccw(c17.904,23.665) 18.289,23.65 18.298,23.902 ccw(c17.804,23.922) 18.299,23.922 18.299,25.814 ccw(c17.914,25.814) 18.299,25.818 18.289,26.931 18.289,27.095 ccw(c18.06,27.095) 18.269,27.19 ccw(c18.06,27.095) 18.222,27.257 cw(c18.338,27.373) 18.174,27.373 18.174,28.301
  TOP w0.07: F1.73@18.171,29.251 18.171,28.351 ccw(c18.266,28.351) 18.171,28.346 18.174,28.301
VGS: F1.26 T10.1 | length 4.6
  TOP w0.05: T10.1@11.555,24.824 cw(c11.923,24.709) 11.65,24.98 11.949,25.28 ccw(c11.676,25.551) 12.061,25.551 12.061,28.301
  TOP w0.07: 12.061,28.301 12.061,28.386 F1.26@12.061,29.251
VINT: C3.1 F1.9 | length 8.6
  TOP w0.07: C3.1@5.012,22.725 5.233,22.725 ccw(c5.233,23.11) 5.505,22.838 9.522,26.855 ccw(c9.25,27.128) 9.627,27.047 9.698,27.378 ccw(c9.483,27.424) 9.7,27.391 9.764,27.813 cw(c9.982,27.781) 9.765,27.819 9.851,28.301 F1.9@9.851,29.251
VLOUT2: C15.1 F1.70 | length 27.6
  TOP w0.05: C15.1@1.633,18.571 1.828,18.376 1.939,18.262 cw(c1.664,17.993) 2.049,17.994 2.049,16.448 ccw(c2.434,16.448) 2.161,16.177 2.752,15.586 ccw(c3.024,15.858) 3.024,15.473 6.379,15.473 ccw(c6.379,15.858) 6.651,15.586 11.956,20.891 cw(c12.228,20.618) 12.228,21.003 15.057,21.003 ccw(c15.057,21.388) 15.329,21.116 17.946,23.733 ccw(c17.674,24.005) 18.059,24.005 18.059,26.877 ccw(c17.674,26.877) 17.946,27.149 17.899,27.197 cw(c18.171,27.469) 17.786,27.468 17.784,28.301
  TOP w0.07: F1.70@17.781,29.251 17.781,28.386 17.781,28.352 ccw(c18.006,28.351) 17.782,28.34 17.784,28.301